# KiCad board PCB0160.kicad_pcb
date: 2020-02-11; rev: G
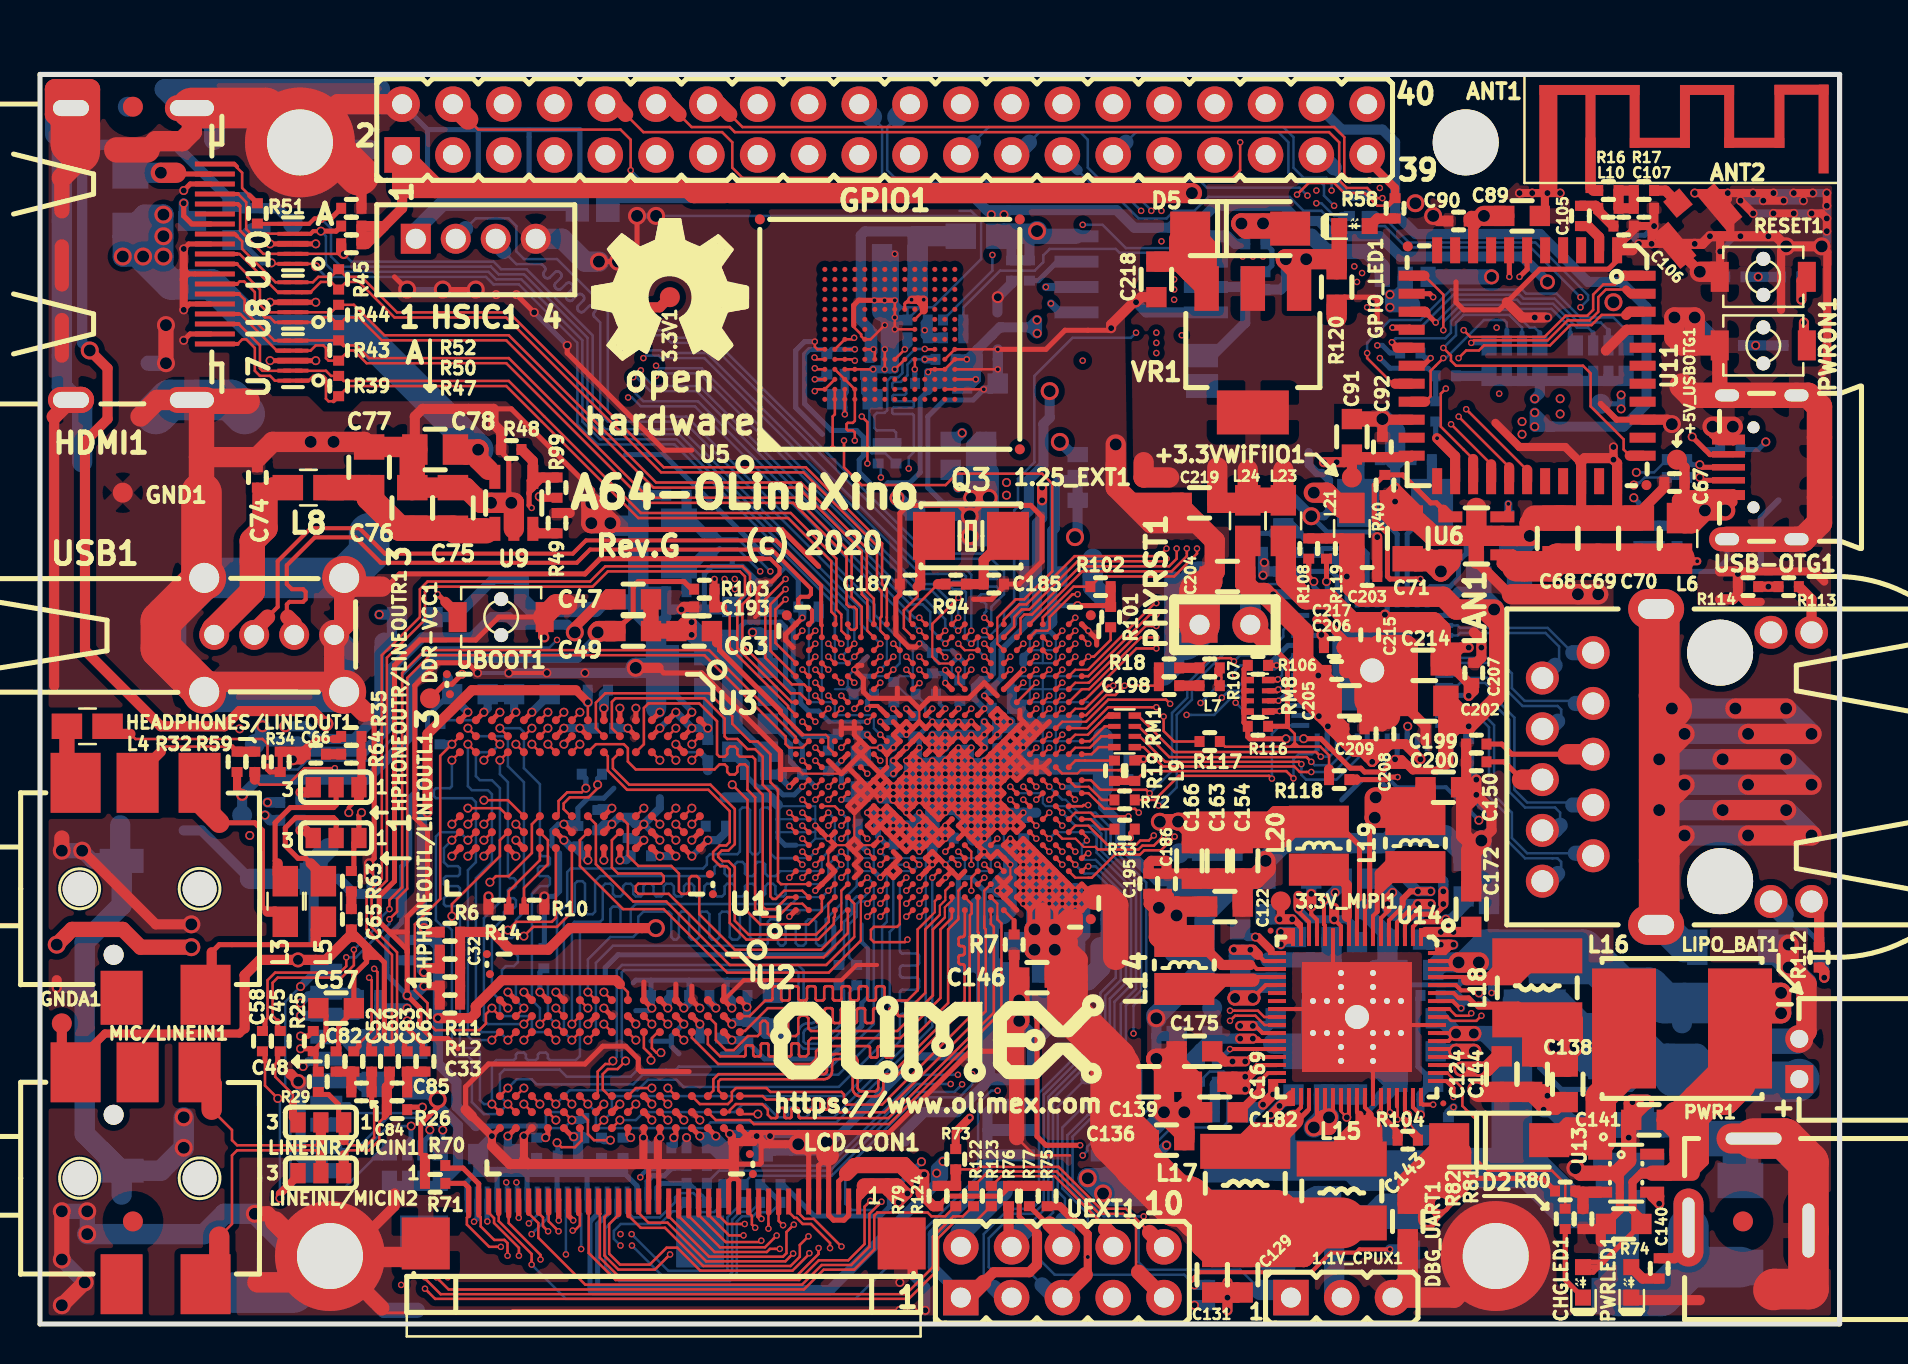
[diagram p0: board, top side]
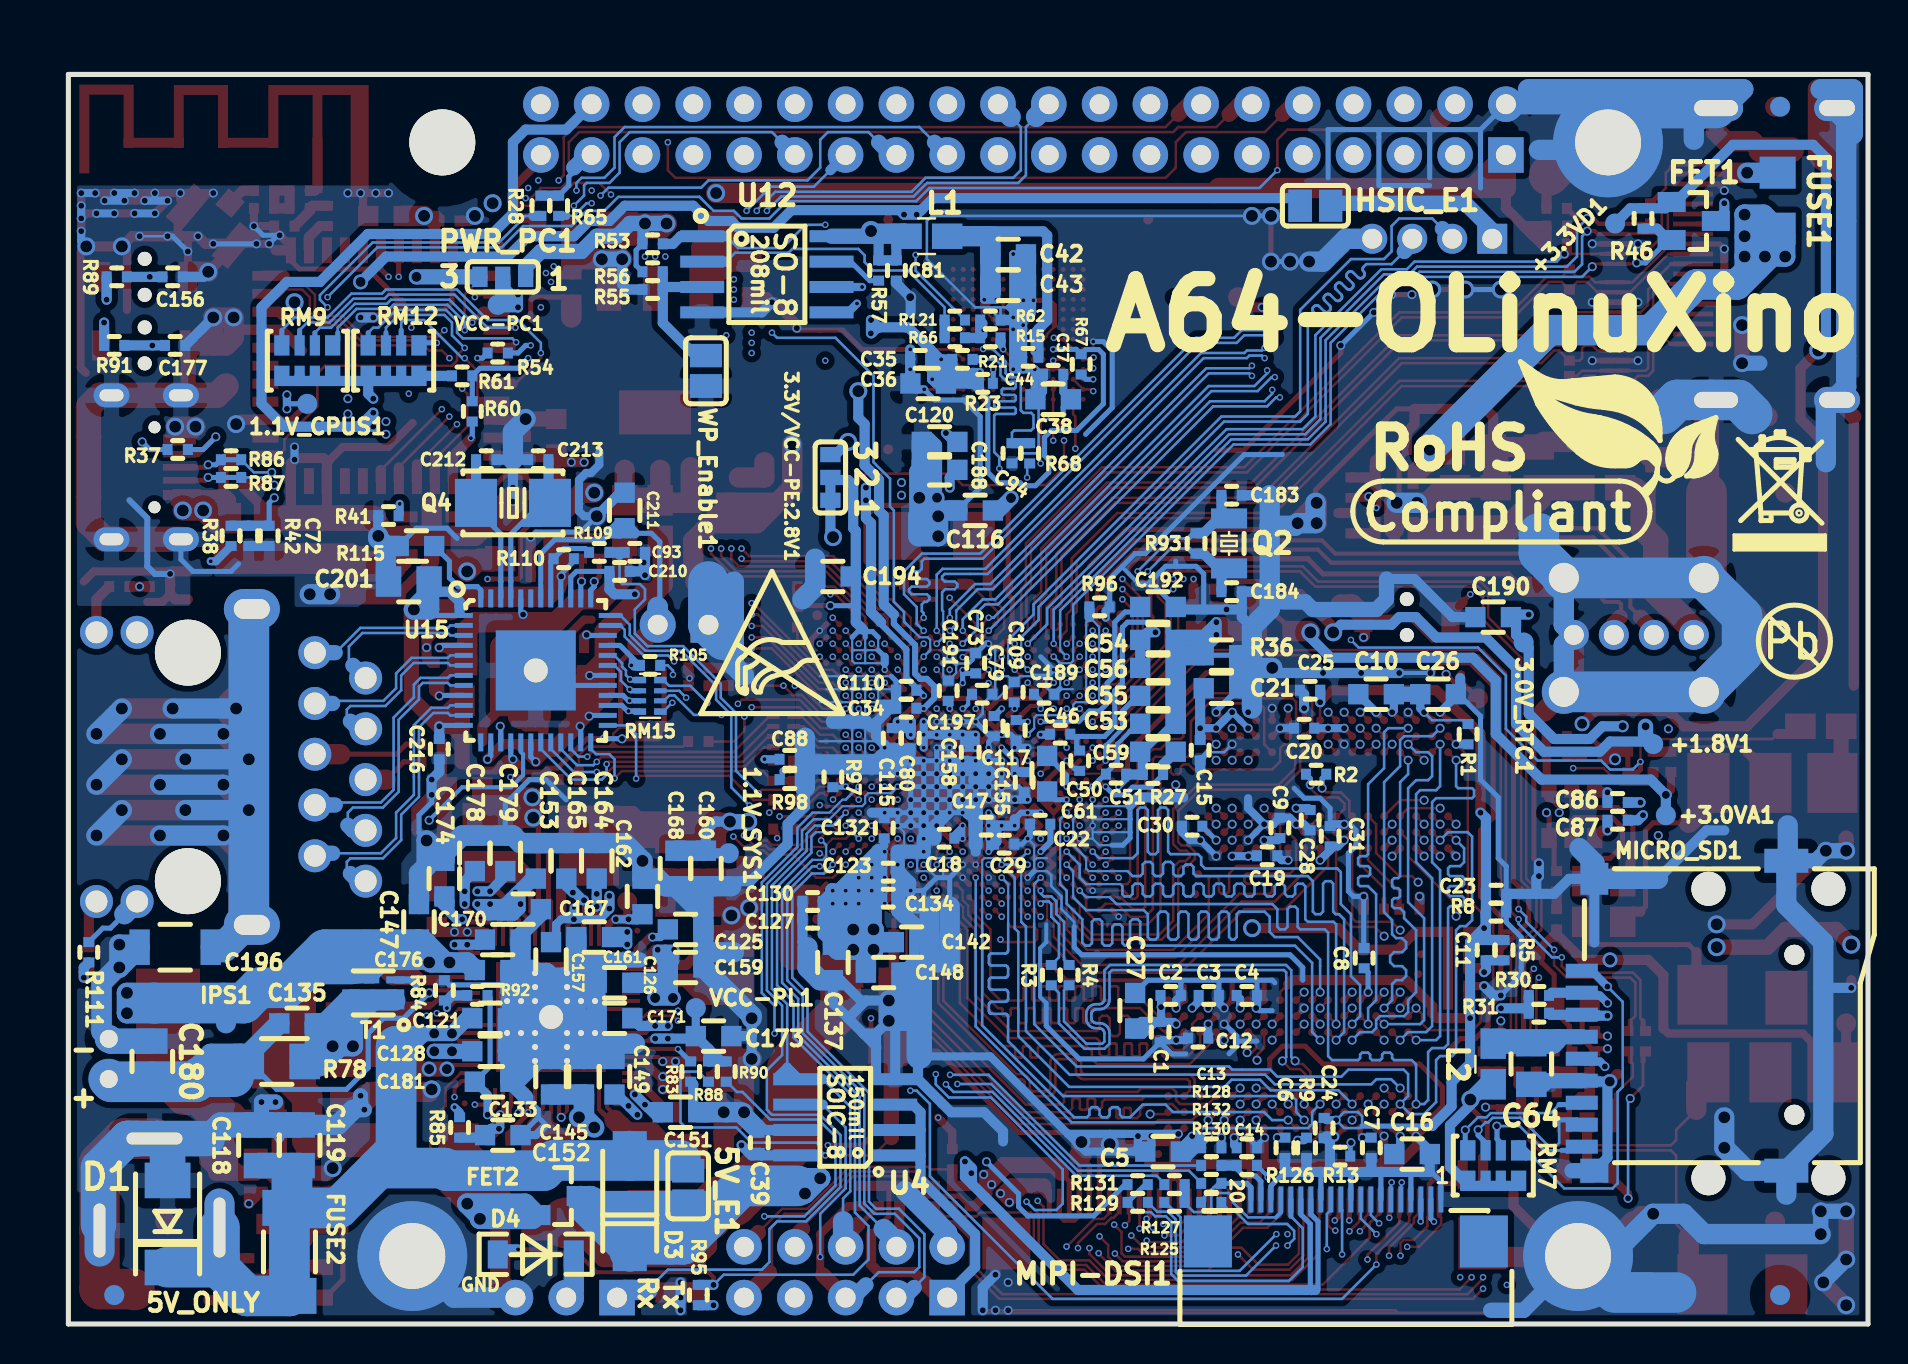
[diagram p1: board, bottom side, seen from below]

Outline 90 x 62.5 mm; copper layers: Top, In1.Cu (plane), In2.Cu, In3.Cu, In4.Cu (plane), Bottom. Coordinates in mm from the lower left corner of the outline.
Outline path: 0,62.5 0,0 90,0 90,62.5 0,62.5

## Placement (name value [footprint] x y rotation side)
1.1V_CPUS1  TESTPAD  [TP_SMD]  78.05 46.02 0 bottom
1.1V_CPUX1  TESTPAD  [TP_SMD]  63.07 3.35 0 top
1.1V_SYS1  TESTPAD  [TP_SMD]  56.97 23.55 0 bottom
1.25_EXT1  TESTPAD  [TP_SMD]  55.19 42.34 0 top
3.0V_RTC1  TESTPAD  [TP_SMD]  17.22 34.09 0 bottom
3.3V1  TESTPAD  [TP_SMD]  31.5 51.36 0 top
3.3V/VCC-PE:2.8V1  Opened(2-3);Closed(1-2)  [SJ_2_SMALL_12_TIED]  51.89 42.34 90 bottom
3.3V_MIPI1  TESTPAD  [TP_SMD]  62.05 21.13 0 top
5V_E1  Opened  [SJ]  59 6.91 270 bottom
+1.8V1  TESTPAD  [TP_SMD]  10.74 29.01 0 bottom
+3.0VA1  TESTPAD  [TP_SMD]  10.11 25.45 0 bottom
+3.3VD1  TESTPAD  [TP_SMD]  12.65 55.04 0 bottom
+3.3VWiFiIO1  TESTPAD  [TP_SMD]  65.61 42.34 0 top
+5V_USBOTG1  TESTPAD  [TP_SMD]  81.86 43.23 0 top
ANT1  PCB_WIFI_ANT  [BT_Antenna_Inverted_1ANT_2GND]  75 57.07 0 top
ANT2  NA(U.FL-R-SMT-1)  [U.FL-R-SMT-1]  82.88 54.91 220 top
C1  100nF\10V/10%  [C_0402_5MIL_DWS]  35.4 14.6 270 bottom
C2  100nF\10V/10%  [C_0402_5MIL_DWS]  34.87 16.43 180 bottom
C3  100nF\10V/10%  [C_0402_5MIL_DWS]  32.97 16.43 180 bottom
C4  100nF\10V/10%  [C_0402_5MIL_DWS]  31.06 16.43 180 bottom
C5  10uF\6.3V/20%  [C_0603_5MIL_DWS]  35.25 8.62 0 bottom
C6  100nF\10V/10%  [C_0402_5MIL_DWS]  29.16 8.81 270 bottom
C7  100nF\10V/10%  [C_0402_5MIL_DWS]  24.84 8.81 270 bottom
C8  100nF\10V/10%  [C_0402_5MIL_DWS]  25.2 18.3 90 bottom
C9  100nF\10V/10%  [C_0402_5MIL_DWS]  29.41 24.82 90 bottom
C10  10uF\6.3V/20%  [C_0603_5MIL_DWS]  24.6 31.5 0 bottom
C11  100nF\10V/10%  [C_0402_5MIL_DWS]  19.1 18.7 90 bottom
C12  100nF\10V/10%  [C_0402_5MIL_DWS]  33.5 14.3 0 bottom
C13  100nF\10V/10%  [C_0402_5MIL_DWS]  32.84 8.81 180 bottom
C14  100nF\10V/10%  [C_0402_5MIL_DWS]  31.06 8.81 180 bottom
C15  100nF\10V/10%  [C_0402_5MIL_DWS]  33.4 28.7 270 bottom
C16  10uF\6.3V/20%  [C_0603_5MIL_DWS]  22.8 8.5 180 bottom
C17  100nF\10V/10%  [C_0402_5MIL_DWS]  44.1 24.9 0 bottom
C18  100nF\10V/10%  [C_0402_5MIL_DWS]  46.2 24.3 0 bottom
C19  100nF\10V/10%  [C_0402_5MIL_DWS]  30.05 23.42 180 bottom
C20  100nF\10V/10%  [C_0402_5MIL_DWS]  28.2 29.8 0 bottom
C21  10uF\6.3V/20%  [C_0603_5MIL_DWS]  32.33 31.8 180 bottom
C22  100nF\10V/10%  [C_0402_5MIL_DWS]  41.4 25 180 bottom
C23  100nF\10V/10%  [C_0402_5MIL_DWS]  18.6 21.5 180 bottom
C24  100nF\10V/10%  [C_0402_5MIL_DWS]  27.2 9.8 270 bottom
C25  100nF\10V/10%  [C_0402_5MIL_DWS]  27.9 31.7 0 bottom
C26  10uF/6.3V/20%  [C_0603_5MIL_DWS]  21.5 31.5 180 bottom
C27  1uF/10V/10%  [C_0603_5MIL_DWS]  36.65 15.67 90 bottom
C28  100nF/10V/10%  [C_0402_5MIL_DWS]  27.9 25.2 270 bottom
C29  100nF/10V/10%  [C_0402_5MIL_DWS]  43.2 24 180 bottom
C30  100nF/10V/10%  [C_0402_5MIL_DWS]  33.8 24.9 0 bottom
C31  100nF/10V/10%  [C_0402_5MIL_DWS]  26.9 24.4 90 bottom
C32  100nF\10V/10%  [C_0402_5MIL_DWS]  20.5 18.7 180 top
C33  100nF\10V/10%  [C_0402_5MIL_DWS]  20.5 16 0 top
C34  100nF\10V/10%  [C_0402_5MIL_DWS]  48.1 30.8 180 bottom
C35  NA(100nF\10V/10%)  [C_0402_5MIL_DWS]  47.4 48.25 180 bottom
C36  NA(2.2uF\6.3V/10%)  [C_0603_5MIL_DWS]  47 47.04 180 bottom
C37  NA(100nF\10V/10%)  [C_0402_5MIL_DWS]  40.75 47.5 180 bottom
C38  NA(2.2uF\6.3V/10%)  [C_0603_5MIL_DWS]  40.75 46.25 180 bottom
C39  100nF/10V/10%  [C_0402_5MIL_DWS]  55.45 9.07 90 bottom
C42  NA(22uF\6.3V/20%)  [C_0603_5MIL_DWS]  43 53.5 180 bottom
C43  NA(2.2uF\6.3V/10%)  [C_0603_5MIL_DWS]  43 51.95 180 bottom
C44  NA(100nF\10V/10%)  [C_0402_5MIL_DWS]  42 48.35 0 bottom
C45  100nF\10V/10%  [C_0402_5MIL_DWS]  12.01 14.15 90 top
C46  100nF\10V/10%  [C_0402_5MIL_DWS]  40.4 29.5 180 bottom
C47  10uF\6.3V/20%  [C_0603_5MIL_DWS]  29.67 36.25 180 top
C48  33pF\50V/5%  [C_0402_5MIL_DWS]  14.81 13.13 270 top
C49  10uF\6.3V/20%  [C_0603_5MIL_DWS]  29.67 34.66 0 top
C50  100nF\10V/10%  [C_0402_5MIL_DWS]  39.43 28.17 270 bottom
C51  100nF\10V/10%  [C_0402_5MIL_DWS]  37.6 27.5 180 bottom
C52  100nF\10V/10%  [C_0402_5MIL_DWS]  16.59 13.13 90 top
C53  10uF\6.3V/20%  [C_0603_5MIL_DWS]  35.51 30.02 180 bottom
C54  10uF\6.3V/20%  [C_0603_5MIL_DWS]  35.51 34.21 0 bottom
C55  1uF\10V/10%  [C_0603_5MIL_DWS]  35.51 31.42 180 bottom
C56  2.2uF\6.3V/10%  [C_0603_5MIL_DWS]  35.51 32.82 0 bottom
C57  10uF\6.3V/20%  [C_0603_5MIL_DWS]  14.81 15.8 180 top
C58  100nF\10V/10%  [C_0402_5MIL_DWS]  11.12 14.15 90 top
C59  10uF\6.3V/20%  [C_0603_5MIL_DWS]  35.51 28.63 0 bottom
C60  100nF\10V/10%  [C_0402_5MIL_DWS]  17.47 13.13 90 top
C61  2.2uF\6.3V/10%  [C_0603_5MIL_DWS]  41.05 27.53 270 bottom
C62  33pF\50V/5%  [C_0402_5MIL_DWS]  19.25 13.13 90 top
C63  10uF\6.3V/20%  [C_0603_5MIL_DWS]  32.72 34.66 180 top
C64  47uF\6.3V/20%  [C_0805_5MIL_DWS]  16.84 13 270 bottom
C65  100nF\10V/10%  [C_0402_5MIL_DWS]  15.57 20.24 90 top
C66  100nF\10V/10%  [C_0402_5MIL_DWS]  13.79 28.5 0 top
C67  100nF\10V/10%  [C_0402_5MIL_DWS]  81.74 42.09 180 top
C68  47uF\6.3V/20%  [C_0805_5MIL_DWS]  75.9 39.29 270 top
C69  NA(47uF\6.3V/20%)  [C_0805_5MIL_DWS]  77.93 39.29 270 top
C70  NA(47uF\6.3V/20%)  [C_0805_5MIL_DWS]  79.96 39.29 270 top
C71  47uF\6.3V/20%  [C_0805_5MIL_DWS]  68.4 39.29 90 top
C72  100nF\10V/10%  [C_0402_5MIL_DWS]  79.96 39.42 90 bottom
C73  100nF\10V/10%  [C_0402_5MIL_DWS]  44.62 33.05 270 bottom
C74  100nF\10V/10%  [C_0402_5MIL_DWS]  10.87 42.34 90 top
C75  47uF\6.3V/20%  [C_0805_5MIL_DWS]  20.65 40.82 270 top
C76  NA(47uF\6.3V/20%)  [C_0805_5MIL_DWS]  18.62 40.82 270 top
C77  NA(47uF\6.3V/20%)  [C_0805_5MIL_DWS]  16.46 42.85 270 top
C78  47uF\6.3V/20%  [C_0805_5MIL_DWS]  19.76 43.74 180 top
C79  100nF\10V/10%  [C_0402_5MIL_DWS]  44.3 31.5 0 bottom
C80  100nF\10V/10%  [C_0402_5MIL_DWS]  47.9 29.3 270 bottom
C81  NA(100nF\10V/10%)  [C_0402_5MIL_DWS]  48.59 52.69 90 bottom
C82  100nF\10V/10%  [C_0402_5MIL_DWS]  15.7 13.13 90 top
C83  100nF\10V/10%  [C_0402_5MIL_DWS]  18.36 13.13 90 top
C84  33pF\50V/5%  [C_0402_5MIL_DWS]  16.08 11.61 180 top
C85  33pF\50V/5%  [C_0402_5MIL_DWS]  17.86 11.61 0 top
C86  100nF\10V/10%  [C_0402_5MIL_DWS]  12.52 26.09 0 bottom
C87  100nF\10V/10%  [C_0402_5MIL_DWS]  12.52 25.2 0 bottom
C88  NA(24pF\50V/5%)  [C_0402_5MIL_DWS]  53.92 28.25 0 bottom
C89  NA(10uF\6.3V/20%)  [C_0603_5MIL_DWS]  74.12 55.42 180 top
C90  NA(100nF\10V/10%)  [C_0402_5MIL_DWS]  70.94 55.17 0 top
C91  NA(10uF\6.3V/20%)  [C_0603_5MIL_DWS]  65.61 44.37 270 top
C92  NA(100nF\10V/10%)  [C_0402_5MIL_DWS]  67.13 43.87 270 top
C93  24pF\50V/5%  [C_0402_5MIL_DWS]  61.67 38.6 0 bottom
C94  NA  [C_0402_5MIL_DWS]  42.81 43.55 270 bottom
C105  NA(10pF\50V/5%)  [C_0402_5MIL_DWS]  77.04 55.42 90 top
C106  NA(0.8pF\C0402)  [C_0402_5MIL_DWS]  79.2 54.91 180 top
C107  NA(1.5pF\C0402)  [C_0402_5MIL_DWS]  80.21 55.8 180 top
C109  100nF\10V/10%  [C_0402_5MIL_DWS]  42.7 31.6 90 bottom
C110  100nF\10V/10%  [C_0402_5MIL_DWS]  48.1 31.7 180 bottom
C115  100nF\10V/10%  [C_0402_5MIL_DWS]  48.8 29.3 90 bottom
C116  10uF\6.3V/20%  [C_0603_5MIL_DWS]  44.65 40.69 180 bottom
C117  100nF\10V/10%  [C_0402_5MIL_DWS]  42.6 29.7 90 bottom
C118  47uF\6.3V/20%  [C_0805_5MIL_DWS]  80.47 8.94 270 bottom
C119  47uF\6.3V/20%  [C_0805_5MIL_DWS]  78.44 8.94 270 bottom
C120  1uF\10V/10%  [C_0603_5MIL_DWS]  46.43 44.12 180 bottom
C121  10uF\6.3V/20%  [C_0603_5MIL_DWS]  68.91 15.29 180 bottom
C122  10uF\6.3V/20%  [C_0603_5MIL_DWS]  59.26 20.88 180 top
C123  100nF\10V/10%  [C_0402_5MIL_DWS]  49 22.6 0 bottom
C124  10uF\6.3V/20%  [C_0603_5MIL_DWS]  73.1 12.5 270 top
C125  10uF\6.3V/20%  [C_0603_5MIL_DWS]  59.13 19.74 0 bottom
C126  10uF\6.3V/20%  [C_0603_5MIL_DWS]  62.69 17.07 180 bottom
C127  100nF\10V/10%  [C_0402_5MIL_DWS]  52.78 20.24 180 bottom
C128  10uF\6.3V/20%  [C_0603_5MIL_DWS]  68.91 13.64 180 bottom
C129  10uF\6.3V/20%  [C_0603_5MIL_DWS]  60.15 2.46 90 top
C130  100nF\10V/10%  [C_0402_5MIL_DWS]  52.78 21.13 180 bottom
C131  10uF\6.3V/20%  [C_0603_5MIL_DWS]  58.62 2.46 90 top
C132  100nF\10V/10%  [C_0402_5MIL_DWS]  49.2 24.8 270 bottom
C133  10uF\6.3V/20%  [C_0603_5MIL_DWS]  65.86 12.37 270 bottom
C134  100nF\10V/10%  [C_0402_5MIL_DWS]  49 21.3 0 bottom
C135  1uF\10V/10%  [C_0603_5MIL_DWS]  78.56 15.04 0 bottom
C136  10uF\6.3V/20%  [C_0603_5MIL_DWS]  56.34 9.19 180 top
C137  1uF\10V/10%  [C_0603_5MIL_DWS]  51.76 18.08 90 bottom
C138  10uF\6.3V/20%  [C_0603_5MIL_DWS]  76.4 11.99 270 top
C139  10uF\6.3V/20%  [C_0603_5MIL_DWS]  55.45 12.12 180 top
C140  10uF\6.3V/20%  [C_0603_5MIL_DWS]  79.2 5 0 top
C141  10uF\6.3V/20%  [C_0603_5MIL_DWS]  80.47 10.21 0 top
C142  1uF\10V/10%  [C_0603_5MIL_DWS]  47.83 19.1 0 bottom
C143  10uF\6.3V/20%  [C_0603_5MIL_DWS]  68.4 5.13 90 top
C144  10uF\6.3V/20%  [C_0603_5MIL_DWS]  74.62 12.5 270 top
C145  10uF\6.3V/20%  [C_0603_5MIL_DWS]  64.21 12.37 270 bottom
C146  10uF\6.3V/20%  [C_0603_5MIL_DWS]  49.86 17.32 0 top
C147  10uF\6.3V/20%  [C_0603_5MIL_DWS]  72.47 20.12 90 bottom
C148  10uF\6.3V/20%  [C_0603_5MIL_DWS]  49.22 17.58 0 bottom
C149  10uF\6.3V/20%  [C_0603_5MIL_DWS]  62.69 12.37 90 bottom
C150  10uF\6.3V/20%  [C_0603_5MIL_DWS]  70.18 26.85 180 top
C151  10uF\6.3V/20%  [C_0603_5MIL_DWS]  59.38 10.59 180 bottom
C152  10uF\6.3V/20%  [C_0603_5MIL_DWS]  68.28 9.45 180 bottom
C153  10uF\6.3V/20%  [C_0603_5MIL_DWS]  66.62 23.17 270 bottom
C154  10uF\6.3V/20%  [C_0603_5MIL_DWS]  60.15 23.17 90 top
C155  100nF\10V/10%  [C_0402_5MIL_DWS]  42.2 27.1 90 bottom
C156  100nF\10V/10%  [C_0402_5MIL_DWS]  84.78 52.38 0 bottom
C157  10uF\6.3V/20%  [C_0603_5MIL_DWS]  65.86 18.21 90 bottom
C158  100nF\10V/10%  [C_0402_5MIL_DWS]  44.9 28.6 90 bottom
C159  10uF\6.3V/20%  [C_0603_5MIL_DWS]  59.13 17.83 0 bottom
C160  1uF\10V/10%  [C_0603_5MIL_DWS]  58.12 22.78 90 bottom
C161  10uF\6.3V/20%  [C_0603_5MIL_DWS]  63.7 19.36 180 bottom
C162  10uF\6.3V/20%  [C_0603_5MIL_DWS]  61.29 21.39 270 bottom
C163  1uF\10V/10%  [C_0603_5MIL_DWS]  58.88 23.17 90 top
C164  10uF\6.3V/20%  [C_0603_5MIL_DWS]  63.58 23.17 270 bottom
C165  10uF\6.3V/20%  [C_0603_5MIL_DWS]  65.1 23.17 270 bottom
C166  10uF\6.3V/20%  [C_0603_5MIL_DWS]  57.61 23.17 90 top
C167  10uF\6.3V/20%  [C_0603_5MIL_DWS]  67.26 20.75 0 bottom
C168  10uF\6.3V/20%  [C_0603_5MIL_DWS]  59.64 22.78 90 bottom
C169  10uF\6.3V/20%  [C_0603_5MIL_DWS]  58.5 12.12 180 top
C170  10uF\6.3V/20%  [C_0603_5MIL_DWS]  68.28 19.23 0 bottom
C171  10uF\6.3V/20%  [C_0603_5MIL_DWS]  62.69 15.29 0 bottom
C172  10uF\6.3V/20%  [C_0603_5MIL_DWS]  71.58 20.75 270 top
C173  10uF\6.3V/20%  [C_0603_5MIL_DWS]  57.73 14.4 180 bottom
C174  NA(10uF\6.3V/20%)  [C_0603_5MIL_DWS]  71.2 22.28 270 bottom
C175  10uF\6.3V/20%  [C_0603_5MIL_DWS]  57.73 13.64 180 top
C176  10uF\6.3V/20%  [C_0603_5MIL_DWS]  68.78 17.7 0 bottom
C177  100nF\10V/10%  [C_0402_5MIL_DWS]  84.66 48.95 0 bottom
C178  10uF\6.3V/20%  [C_0603_5MIL_DWS]  69.67 23.55 270 bottom
C179  10uF\6.3V/20%  [C_0603_5MIL_DWS]  68.15 23.55 270 bottom
C180  47uF\6.3V/20%  [C_0805_5MIL_DWS]  85.8 13.13 270 bottom
C181  1uF\10V/10%  [C_0603_5MIL_DWS]  68.78 12.12 0 bottom
C182  1uF\10V/10%  [C_0603_5MIL_DWS]  59 10.59 0 top
C183  22pF\50V/5%  [C_0402_5MIL_DWS]  31.83 41.45 180 bottom
C184  22pF\50V/5%  [C_0402_5MIL_DWS]  31.83 36.63 180 bottom
C185  33pF\50V/5%  [C_0402_5MIL_DWS]  47.7 37.01 0 top
C186  100nF\10V/10%  [C_0402_5MIL_DWS]  56.34 22.02 270 top
C187  33pF\50V/5%  [C_0402_5MIL_DWS]  43.51 37.01 180 top
C188  10uF\6.3V/20%  [C_0603_5MIL_DWS]  46.43 42.72 180 bottom
C189  100nF\10V/10%  [C_0402_5MIL_DWS]  41.2 31.5 0 bottom
C190  1uF\10V/10%  [C_0603_5MIL_DWS]  18.75 35.36 180 bottom
C191  100nF\10V/10%  [C_0402_5MIL_DWS]  46 31.67 270 bottom
C192  10uF\6.3V/20%  [C_0603_5MIL_DWS]  35.51 35.86 0 bottom
C193  NA(1nF\50V/10%)  [C_0402_5MIL_DWS]  33.22 35.86 0 top
C194  10uF\6.3V/20%  [C_0603_5MIL_DWS]  51.76 37.39 180 bottom
C195  100nF\10V/10%  [C_0402_5MIL_DWS]  55.45 22.02 270 top
C196  1nF\2kV/10%/X7R  [C_1206_5MIL_DWS_ISO]  84.66 18.85 180 bottom
C197  100nF\10V/10%  [C_0402_5MIL_DWS]  43.7 29.9 270 bottom
C198  NA(24pF\50V/5%)  [C_0402_5MIL_DWS]  56.46 31.93 0 top
C199  100nF\10V/10%  [C_0402_5MIL_DWS]  71.83 29.01 0 top
C200  100nF\10V/10%  [C_0402_5MIL_DWS]  71.83 28.12 0 top
C201  47uF\6.3V/20%  [C_0805_5MIL_DWS]  72.97 37.13 0 bottom
C202  47uF\6.3V/20%  [C_0805_5MIL_DWS]  69.29 31.17 180 top
C203  100nF\10V/10%  [C_0402_5MIL_DWS]  66.37 37.39 180 top
C204  22uF\6.3V/20%  [C_0603_5MIL_DWS]  59.38 37.39 0 top
C205  22uF\6.3V/20%  [C_0603_5MIL_DWS]  65.48 31.17 180 top
C206  100nF\10V/10%  [C_0402_5MIL_DWS]  64.85 32.69 180 top
C207  100nF\10V/10%  [C_0402_5MIL_DWS]  71.7 32.56 270 top
C208  100nF\10V/10%  [C_0402_5MIL_DWS]  67.26 29.52 270 top
C209  100nF\10V/10%  [C_0402_5MIL_DWS]  65.74 29.77 180 top
C210  100nF\10V/10%  [C_0402_5MIL_DWS]  62.43 37.64 0 bottom
C211  1uF\10V/10%  [C_0603_5MIL_DWS]  62.18 40.69 270 bottom
C212  33pF\50V/5%  [C_0402_5MIL_DWS]  69.1 43.23 0 bottom
C213  33pF\50V/5%  [C_0402_5MIL_DWS]  66.5 43.23 180 bottom
C214  22uF\6.3V/20%  [C_0603_5MIL_DWS]  69.16 32.94 0 top
C215  100nF\10V/10%  [C_0402_5MIL_DWS]  66.5 34.47 90 top
C216  100nF\10V/10%  [C_0402_5MIL_DWS]  71.45 28.75 90 bottom
C217  100nF\10V/10%  [C_0402_5MIL_DWS]  64.72 33.83 180 top
C218  22uF\6.3V/20%  [C_0603_5MIL_DWS]  55.83 52.25 270 top
C219  22uF\6.3V/20%  [C_0603_5MIL_DWS]  57.99 41.07 180 top
CHGLED1  LED\YELLOW/0603  [LED_0603_KA]  77.16 2.08 90 top
D1  SMBJ6.0A  [DO214AA_1(K)-2(A)]  85.04 5 90 bottom
D2  1N5822\SS34/SMA  [SMA-KA]  72.97 9.19 0 top
D3  1N5822\SS34/SMA  [SMA-KA]  61.93 6.15 90 bottom
D4  1N5819(S4SOD-123)  [SOD-123_1C-2A_KA]  66.62 3.48 0 bottom
D5  1N4007\SMA  [SMA-KA]  60.02 54.79 0 top
DBG_UART1  -  [HN1x3]  65.1 1.32 0 top
DDR-VCC1  TESTPAD  [TP_SMD]  19.51 31.29 0 top
FET1  BSS138(SOT23-3)  [SOT23]  8.71 55.17 0 bottom
FET2  IRLML6402(SOT-23)  [SOT23]  65.48 6.4 0 bottom
FID1  -  [Fiducial1x3_transp]  4.65 60.88 0 top
FID2  -  [Fiducial1x3_transp]  4.65 5.13 0 top
FID3  -  [Fiducial1x3_transp]  85.17 5.13 0 top
FID4  -  [Fiducial1x3_transp]  4.39 60.88 0 bottom
FID5  -  [Fiducial1x3_transp]  4.39 1.45 0 bottom
FID6  -  [Fiducial1x3_transp]  87.71 1.45 0 bottom
FUSE1  FSMD035  [FUSE-1206]  4.52 56.19 90 bottom
FUSE2  NA(5025)  [FUSE-5025]  78.94 3.61 270 bottom
GND1  TESTPAD  [TP_SMD]  4.14 41.58 0 top
GNDA1  TESTPAD  [TESTPAD_40-ROUND]  1.09 15.04 0 top
GPIO1  NA(HN2x20)  [HN2x20]  42.24 59.74 0 top
GPIO_LED1  LED\Red/0603  [LED_0603_KA]  65.74 54.91 0 top
HDMI1  HDMI-SWM-19  [HDMI-SWM-19-TEST]  3 53.52 90 top
HEADPHONES/LINEOUT1  -  [SCJ325P00XG0B02G]  1.98 21.77 0 top
HPHONEOUTL/LINEOUTL1  Soldered(1-2);Opened(2-3)  [SJ_2_SMALL]  14.81 24.31 180 top
HPHONEOUTR/LINEOUTR1  Soldered(1-2);Opened(2-3)  [SJ_2_SMALL]  14.81 26.85 180 top
HSIC1  NA(B4B-PH-K-S)  [B4B-PH-K-S]  21.79 54.28 180 top
HSIC_E1  Opened  [SJ]  27.64 55.93 180 bottom
IPS1  TESTPAD  [TP_SMD]  82.12 15.04 0 bottom
L1  NA(FB0805\600R/2A)  [L_0805_5MIL_DWS]  47.07 54.41 180 bottom
L2  FB0805\600R/2A  [L_0805_5MIL_DWS]  18.75 13 90 bottom
L3  FB0805\600R/2A  [L_0805_5MIL_DWS]  12.27 21.13 270 top
L4  FB0805\600R/2A  [L_0805_5MIL_DWS]  2.36 29.9 180 top
L5  FB0805\600R/2A  [L_0805_5MIL_DWS]  14.17 21.13 270 top
L6  FB0805\600R/2A  [L_0805_5MIL_DWS]  81.99 39.29 90 top
L7  NA(2.7nH\L0402)  [L_0402_5MIL_DWS]  58.5 31.93 0 top
L8  FB0805\600R/2A  [L_0805_5MIL_DWS]  13.41 41.83 180 top
L9  NA(2.7nH\L0402)  [L_0402_5MIL_DWS]  54.75 27.67 270 top
L10  NA(3.3nH +-0.1nH LQP15MN3N3B02D)  [L_0402_5MIL_DWS]  78.44 55.8 180 top
L14  SWPA3015S1R5NT(1.5uH\2.30A/DCR<0.1R/CD32)  [CD32]  57.23 17.96 90 top
L15  SWPA4018S1R5NT(1.5uH\3.35A/DCR<0.1R/CD43)  [CD42(43)]  65.1 6.66 270 top
L16  2.2uH\3A/YS75/7x8  [YS75_7X8MM]  82.12 14.78 180 top
L17  SWPA4018S1R5NT(1.5uH\3.35A/DCR<0.1R/CD43)  [CD42(43)]  60.27 7.04 270 top
L18  SWPA4018S1R5NT(1.5uH\3.35A/DCR<0.1R/CD43)  [CD42(43)]  74.88 16.81 90 top
L19  SWPA3015S1R5NT(1.5uH\2.30A/DCR<0.1R/CD32)  [CD32]  68.78 24.05 90 top
L20  SWPA3015S1R5NT(1.5uH\2.30A/DCR<0.1R/CD32)  [CD32]  63.96 23.93 90 top
L21  FB0805\600R/2A  [L_0805_5MIL_DWS]  65.61 39.8 90 top
L23  FB0805\600R/2A  [L_0805_5MIL_DWS]  62.18 40.18 90 top
L24  FB0805\600R/2A  [L_0805_5MIL_DWS]  60.4 40.18 90 top
LAN1  -  [TM211Q01FM22]  84.02 27.86 270 top
LCD_CON1  -  [FPV-WZA21-40-LF]  31.19 3.48 180 top
LINEINL/MICIN2  Opened(2-3);Soldered(1-2)  [SJ_2_SMALL]  14.05 7.54 180 top
LINEINR/MICIN1  Opened(2-3);Soldered(1-2)  [SJ_2_SMALL]  14.05 10.08 180 top
LIPO_BAT1  DW02R  [LIPO_BAT-CON2DW02R]  91.13 13.26 90 top
Logo-OLimeX_Big  -  [OLIMEX_LOGO_TB]  45.03 14.28 0 top
Logo-OSHW  -  [LOGO_OPENHARDWARE_8x8]  31.5 51.25 0 top
MIC/LINEIN1  SCJ325P00XG0B02G  [SCJ325P00XG0B02G#2]  1.98 7.29 0 top
MICRO_SD1  MICRO_SD(TFC-WPAPR-08)  [TFC-WPAPR-08]  7.31 15.42 180 bottom
MIPI-DSI1  -  [FPV-WZA21-20-LF]  26.11 3.48 0 bottom
Mounting_hole1  Mounting_hole  [Mounting_hole_3.3mm_with_5.5mm_pad]  72.8 3.4 0 top
Mounting_hole2  Mounting_hole  [Mounting_hole_3.3mm_with_5.5mm_pad]  14.5 3.4 0 top
Mounting_hole3  Mounting_hole  [Mounting_hole_3.3mm_with_5.5mm_pad]  13 59.1 0 top
Mounting_hole4  Mounting_hole  [Mounting_hole_3.3mm]  71.3 59.1 0 top
PHYRST1  HN1x2(Opened)  [HN1x2_Jumper]  59.26 34.98 0 top
PWR1  -  [PWRJ-2mm(YDJ-1134)]  82.25 9.58 180 top
PWR_PC1  Opened(2-3);Soldered(1-2)  [SJ_2_SMALL]  68.28 52.38 0 bottom
PWRLED1  LED\Red/0603  [LED_0603_KA]  79.58 2.08 90 top
PWRON1  IT-1185AU2-160G-G-TR  [IT1185AU2_V2]  86.18 48.95 180 top
Q2  Q32.768kHz/12.5pF/2P/SMD1206  [CM7V-T1A(Crystal_Package-1206_3.20x1.50x0.65mm)]  31.95 39.04 270 bottom
Q3  Q24MHZ\20pF/20ppm/2P/5x3.2mm  [HCX-4S_2Pins_5.0x3.2mm_TEST]  46.56 39.42 180 top
Q4  Q25MHz\20pF/20ppm/2P/5x3.2mm  [HCX-4S_2Pins_5.0x3.2mm_TEST]  67.77 41.07 180 bottom
R1  2k\1%  [R_0402_5MIL_DWS]  20 29.5 90 bottom
R2  100R\1%  [R_0402_5MIL_DWS]  27.6 27.5 0 bottom
R3  22R  [R_0402_5MIL_DWS]  40.84 17.45 90 bottom
R4  22R  [R_0402_5MIL_DWS]  39.95 17.45 90 bottom
R5  2k\1%  [R_0402_5MIL_DWS]  18.2 18.7 270 bottom
R6  NA  [R_0402_5MIL_DWS]  20.5 19.6 0 top
R7  243R\1%  [R_0402_5MIL_DWS]  48.72 18.97 90 top
R8  2k\1%  [R_0402_5MIL_DWS]  18.6 20.6 0 bottom
R9  243R\1%  [R_0402_5MIL_DWS]  28.08 8.81 270 bottom
R10  243R\1%  [R_0402_5MIL_DWS]  24.71 20.75 0 top
R11  2k\1%  [R_0402_5MIL_DWS]  20.5 17.8 180 top
R12  2k\1%  [R_0402_5MIL_DWS]  20.5 16.9 0 top
R13  NA(243R\1%)  [R_0402_5MIL_DWS]  26.4 8.4 0 bottom
R14  NA(243R\1%)  [R_0402_5MIL_DWS]  22.94 20.75 180 top
R15  NA(22R)  [R_0402_5MIL_DWS]  43.89 49.33 0 bottom
R16  0R  [R_0402_5MIL_DWS]  78.44 56.69 0 top
R17  NA(0R)  [R_0402_5MIL_DWS]  80.21 56.69 180 top
R18  22R  [R_0402_5MIL_DWS]  56.46 32.82 0 top
R19  22R  [R_0402_5MIL_DWS]  53.73 27.67 270 top
R21  NA(10k)  [R_0402_5MIL_DWS]  45.29 48.25 0 bottom
R23  NA(10k)  [R_0402_5MIL_DWS]  44.27 47.05 0 bottom
R25  470R  [R_0402_5MIL_DWS]  13.67 14.15 90 top
R26  2k\1%  [R_0402_5MIL_DWS]  17.86 10.72 0 top
R27  200k\1%  [R_0402_5MIL_DWS]  35.76 27.48 0 bottom
R28  NA(1k)  [R_0402_5MIL_DWS]  66.37 55.93 270 bottom
R29  2k\1%  [R_0402_5MIL_DWS]  13.92 12.12 90 top
R30  100k  [R_0402_5MIL_DWS]  16.46 16.43 0 bottom
R31  10k  [R_0402_5MIL_DWS]  16.46 15.55 0 bottom
R32  NA(1M)  [R_0402_5MIL_DWS]  9.86 28.12 270 top
R33  22R  [R_0402_5MIL_DWS]  54.24 24.75 180 top
R34  0R(Board_Mounted)  [R_0402_5MIL_0R(Board_Mounted)]  12.01 28.12 270 top
R35  100k  [R_0402_5MIL_DWS]  15.57 29.39 0 top
R36  0R(Board_Mounted)  [R_0603_5MIL_0R(Board_Mounted)]  32.33 33.45 0 bottom
R37  10k  [R_0402_5MIL_DWS]  84.53 43.74 0 bottom
R38  4.7k  [R_0402_5MIL_DWS]  81.86 39.42 270 bottom
R39  NA(510R)  [R_0402_5MIL_DWS]  14.94 46.91 270 top
R40  10k  [R_0402_5MIL_DWS]  67.26 41.96 90 top
R41  13k\1%  [R_0402_5MIL_DWS]  73.99 40.44 180 bottom
R42  10k  [R_0402_5MIL_DWS]  80.97 39.42 90 bottom
R43  NA(510R)  [R_0402_5MIL_DWS]  14.94 48.69 90 top
R44  NA(510R)  [R_0402_5MIL_DWS]  14.94 50.47 270 top
R45  NA(510R)  [R_0402_5MIL_DWS]  14.94 52.25 90 top
R46  27k  [R_0402_5MIL_DWS]  11.25 55.3 270 bottom
R47  2.2k  [R_0402_5MIL_DWS]  15.57 54.03 180 top
R48  NA(10k)  [R_0402_5MIL_DWS]  23.57 43.74 0 top
R49  3.92k\1%  [R_0402_5MIL_DWS]  25.86 40.06 270 top
R50  2.2k  [R_0402_5MIL_DWS]  15.57 54.91 180 top
R51  4.7k  [R_0402_5MIL_DWS]  10.87 55.55 90 top
R52  10k  [R_0402_5MIL_DWS]  15.57 55.8 0 top
R53  NA(10k)  [R_0402_5MIL_DWS]  60.78 54.03 0 bottom
R54  NA(22R)  [R_0402_5MIL_DWS]  68.53 48.56 180 bottom
R55  NA  [R_0402_5MIL_DWS]  60.78 51.74 0 bottom
R56  NA(10k)  [R_0402_5MIL_DWS]  60.78 52.63 0 bottom
R57  NA(10k)  [R_0402_5MIL_DWS]  49.48 52.69 90 bottom
R58  1k  [R_0402_5MIL_DWS]  67.77 55.8 270 top
R59  47k  [R_0402_5MIL_DWS]  10.74 28.12 270 top
R60  NA(0R)  [R_0402_5MIL_DWS]  69.8 45.64 90 bottom
R61  NA(10k)  [R_0402_5MIL_DWS]  70.31 47.42 0 bottom
R62  NA(10k)  [R_0402_5MIL_DWS]  43.89 50.22 180 bottom
R63  22R  [R_0402_5MIL_DWS]  15.57 22.15 90 top
R64  22R  [R_0402_5MIL_DWS]  15.57 28.5 0 top
R65  22R  [R_0402_5MIL_DWS]  65.48 55.93 270 bottom
R66  NA(22R)  [R_0402_5MIL_DWS]  45.67 49.33 180 bottom
R67  NA(10k)  [R_0402_5MIL_DWS]  39.35 48 90 bottom
R68  NA(22R)  [R_0402_5MIL_DWS]  41.92 43.55 270 bottom
R70  2.2k  [R_0402_5MIL_DWS]  19.76 7.92 180 top